# Altium PCB STB_LightBoard.PcbDoc (part 12 of 31) (continued)
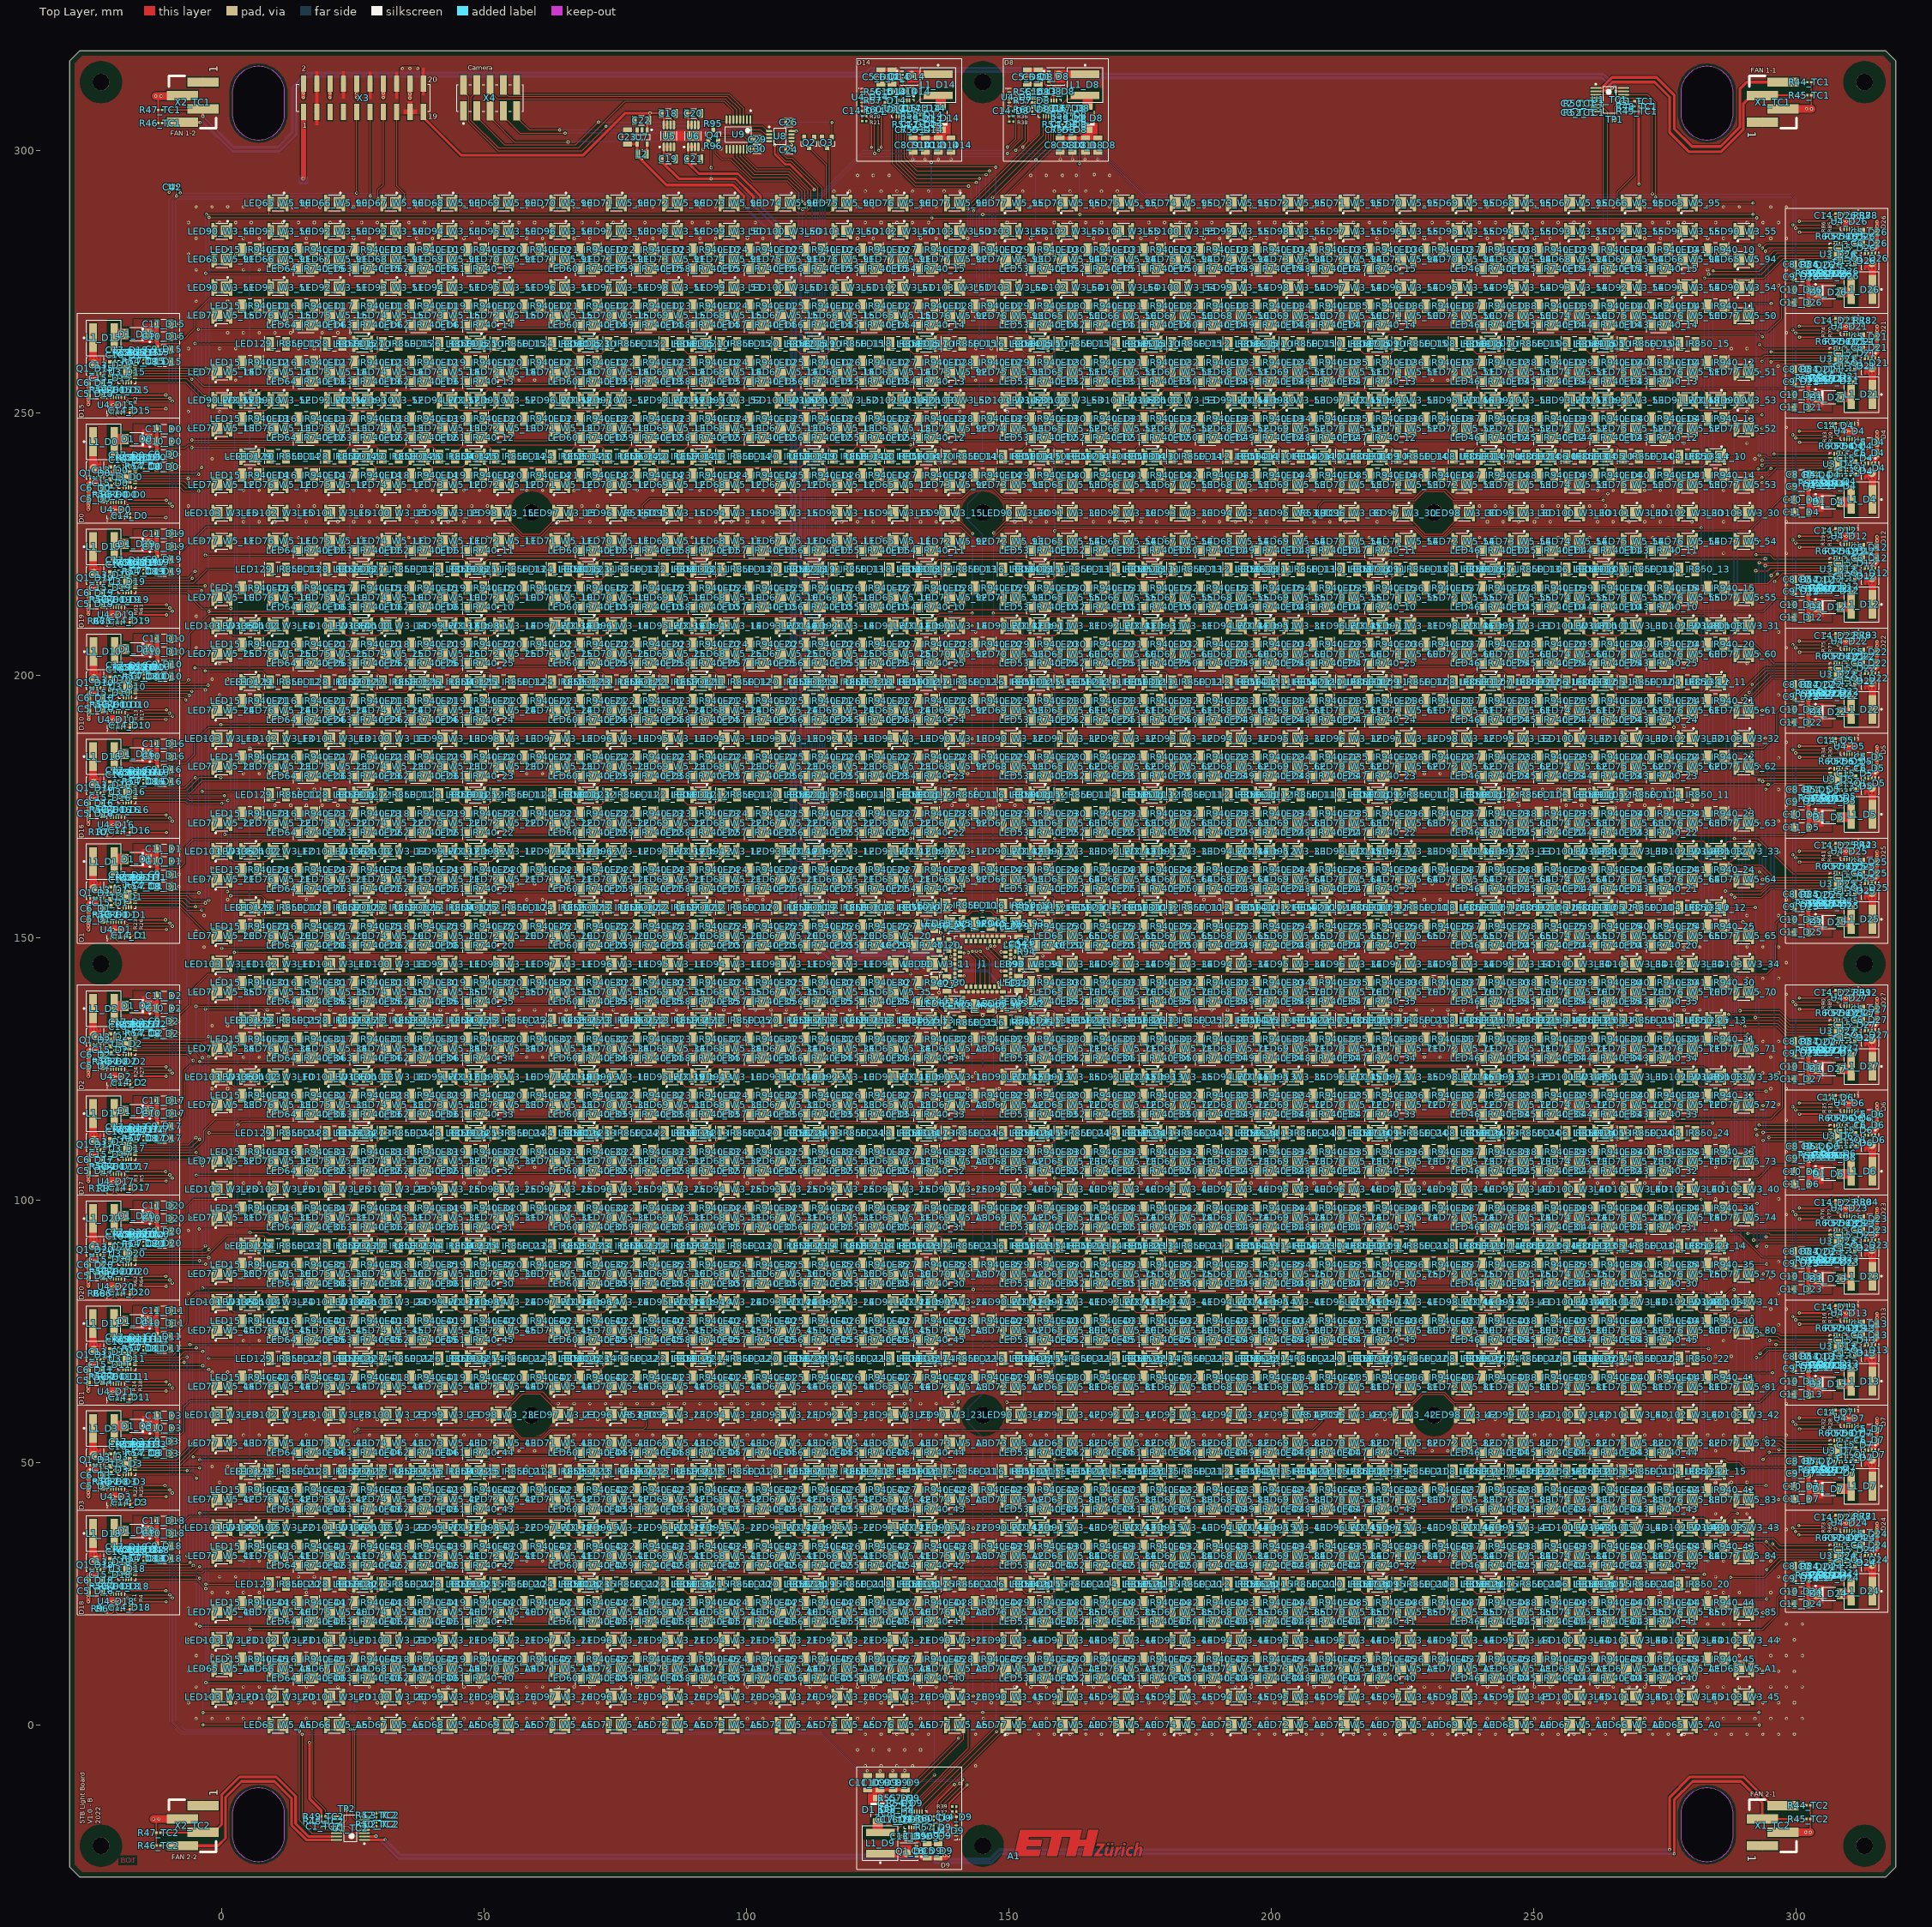
[diagram p0: Top Layer view]
## Part data (continued)
R4 R12 R27: library part CMP-2002-08256-1, Manufacturer="Vishay Dale", Manufacturer Part Number=CRCW0402182KFKED, Max Operating Temperature=155°C, Min Operating Temperature=-55°C, Package Height=0.35mm, Package Length=1mm, Package Shape=Rectangular, Package Style=SMTMeter, Package Width=0.5mm, Rated Power Dissipation (P)=63mW, Rated Temperature=70°C, Resistance=182kR, Resistor Type="FIXED RESISTOR", Supplier Part Number 1=541-182KLDKR-ND, Temperature Coefficient=100ppm/°C, Tolerance=1%, Working Voltage=50V, Category="Chip SMD Resistors", ComponentLink1Description=https://datasheet.ciiva.com:443/pdfs/VipMasterIC/IC/VISH/VISH-S-A0007266705/VISH-S-A0007266705-1.pdf?src-supplier=IHS+Markit, ComponentLink1URL=https://datasheet.ciiva.com:443/pdfs/VipMasterIC/IC/VISH/VISH-S-A0007266705/VISH-S-A0007266705-1.pdf?src-supplier=IHS+Markit, ComponentLink2Description=https://datasheet.ciiva.com/3256/dcrcwe3-3256117.pdf?src-supplier=Avnet, ComponentLink2URL=https://datasheet.ciiva.com/3256/dcrcwe3-3256117.pdf?src-supplier=Avnet, ComponentLink3Description=https://datasheet.ciiva.com/2463/dcrcwe3-2463286.pdf?src-supplier=Digi-Key, ComponentLink3URL=https://datasheet.ciiva.com/2463/dcrcwe3-2463286.pdf?src-supplier=Digi-Key, ComponentLink4Description=https://datasheet.ciiva.com/5545/dcrcwe3-109170-5545910.pdf?src-supplier=Mouser, ComponentLink4URL=https://datasheet.ciiva.com/5545/dcrcwe3-109170-5545910.pdf?src-supplier=Mouser, ComponentLink5Description=https://datasheet.ciiva.com/2463/dcrcwe3-2463287.pdf?src-supplier=Digi-Key, ComponentLink5URL=https://datasheet.ciiva.com/2463/dcrcwe3-2463287.pdf?src-supplier=Digi-Key, ComponentLink6Description=https://datasheet.ciiva.com/7714/1697337-7714183.pdf?src-supplier=Element14, ComponentLink6URL=https://datasheet.ciiva.com/7714/1697337-7714183.pdf?src-supplier=Element14, ComponentLink7Description=https://datasheet.ciiva.com/2463/dcrcwe3-2463288.pdf?src-supplier=Digi-Key, ComponentLink7URL=https://datasheet.ciiva.com/2463/dcrcwe3-2463288.pdf?src-supplier=Digi-Key, ComponentLink8Description=https://datasheet.ciiva.com/16785/70201119-16785993.pdf?src-supplier=Allied+Electronics, ComponentLink8URL=https://datasheet.ciiva.com/16785/70201119-16785993.pdf?src-supplier=Allied+Electronics, ComponentLink9Description=https://datasheet.ciiva.com/7714/1697337-7714365.pdf?src-supplier=Element14, ComponentLink9URL=https://datasheet.ciiva.com/7714/1697337-7714365.pdf?src-supplier=Element14, Construction=Chip, JESD-609 Code=e3, Mount="Surface Mount", Number of Pins=2, Packaging="Tape and Reel", Part Number=CRCW0402182KFKED, Pricing 1="1=0.10000, 10=0.03600, 100=0.01460, 1000=0.00656, 2500=0.00569, 5000=0.00470 (USD)", Reach SVHC Compliant=Yes, Reference Standard=AEC-Q200, RoHS=Yes, RoHS Compliant=Yes, Size Code=0402, Stock 1=76709, Supplier 1=Digi-Key, Technology="METAL GLAZE/THICK FILM", Terminal Finish=Nickel, Termination=Wraparound
R5 R9 R10 R11 R20 R26 R43 R67 R68 R81 R82 R83 R84 R88 R92: library part CMP-2002-00613-1, Manufacturer=Panasonic, Manufacturer Part Number=ERJ-2RKF1023X, Max Operating Temperature=155°C, Min Operating Temperature=-55°C, Package Height=0.35mm, Package Length=1mm, Package Shape=Rectangular, Package Style=SMTMeter, Package Width=0.5mm, Rated Power Dissipation (P)=100mW, Rated Temperature=70°C, Resistor Type="FIXED RESISTOR", Supplier Part Number 1=P102KLDKR-ND, Temperature Coefficient=100ppm/°C, Tolerance=1%, Working Voltage=50V, Category="Chip SMD Resistors", ComponentLink1Description=https://datasheet.ciiva.com:443/pdfs/VipMasterIC/IC/PANA/PANA-S-A0009889626/PANA-S-A0009889626-1.pdf?src-supplier=IHS+Markit, ComponentLink1URL=https://datasheet.ciiva.com:443/pdfs/VipMasterIC/IC/PANA/PANA-S-A0009889626/PANA-S-A0009889626-1.pdf?src-supplier=IHS+Markit, ComponentLink2Description=https://datasheet.ciiva.com/43467/1678782-43467481.pdf?src-supplier=Farnell, ComponentLink2URL=https://datasheet.ciiva.com/43467/1678782-43467481.pdf?src-supplier=Farnell, ComponentLink3Description=https://datasheet.ciiva.com/9119/aoa0000ce2-9119242.pdf?src-supplier=Avnet, ComponentLink3URL=https://datasheet.ciiva.com/9119/aoa0000ce2-9119242.pdf?src-supplier=Avnet, ComponentLink4Description=https://datasheet.ciiva.com/16781/70260748-16781503.pdf?src-supplier=Allied+Electronics, ComponentLink4URL=https://datasheet.ciiva.com/16781/70260748-16781503.pdf?src-supplier=Allied+Electronics, ComponentLink5Description=https://datasheet.ciiva.com/22673/1678782-22673487.pdf?src-supplier=Element14, ComponentLink5URL=https://datasheet.ciiva.com/22673/1678782-22673487.pdf?src-supplier=Element14, ComponentLink6Description=https://datasheet.ciiva.com/16763/70260748-16763080.pdf?src-supplier=Allied+Electronics, ComponentLink6URL=https://datasheet.ciiva.com/16763/70260748-16763080.pdf?src-supplier=Allied+Electronics, ComponentLink7Description=https://datasheet.ciiva.com/7712/1678782-7712798.pdf?src-supplier=Element14, ComponentLink7URL=https://datasheet.ciiva.com/7712/1678782-7712798.pdf?src-supplier=Element14, ComponentLink8Description=https://datasheet.ciiva.com/46373/1678782-46373215.pdf?src-supplier=Element14, ComponentLink8URL=https://datasheet.ciiva.com/46373/1678782-46373215.pdf?src-supplier=Element14, Construction=Rectangular, JESD-609 Code=e3, Mount="Surface Mount", Number of Pins=2, Packaging="Tape and Reel", Part Number=ERJ-2RKF1023X, Pricing 1="1=0.10000, 10=0.03300, 100=0.01330, 1000=0.00599, 2500=0.00520, 5000=0.00429 (USD)", Reach SVHC Compliant=Yes, Reference Standard=AEC-Q200, RoHS=Yes, RoHS Compliant=Yes, Size Code=0402, Stock 1=79400, Supplier 1=Digi-Key, Technology="METAL GLAZE/THICK FILM", Terminal Finish=Nickel, Termination=Wraparound
R13 R34 R74 R85: library part CMP-2002-00982-1, Manufacturer=Panasonic, Manufacturer Part Number=ERJ-2RKF5233X, Max Operating Temperature=155°C, Min Operating Temperature=-55°C, Package Height=0.35mm, Package Length=1mm, Package Shape=Rectangular, Package Style=SMTMeter, Package Width=0.5mm, Rated Power Dissipation (P)=100mW, Rated Temperature=70°C, Resistor Type="FIXED RESISTOR", Supplier Part Number 1=P523KLCT-ND, Temperature Coefficient=100ppm/°C, Tolerance=1%, Working Voltage=50V, Category="Chip SMD Resistors", ComponentLink1Description=https://datasheet.ciiva.com:443/pdfs/VipMasterIC/IC/PANA/PANA-S-A0009889626/PANA-S-A0009889626-1.pdf?src-supplier=IHS+Markit, ComponentLink1URL=https://datasheet.ciiva.com:443/pdfs/VipMasterIC/IC/PANA/PANA-S-A0009889626/PANA-S-A0009889626-1.pdf?src-supplier=IHS+Markit, ComponentLink2Description=https://datasheet.ciiva.com/30220/aoa0000ce2-30220984.pdf?src-supplier=Onlinecomponents.com, ComponentLink2URL=https://datasheet.ciiva.com/30220/aoa0000ce2-30220984.pdf?src-supplier=Onlinecomponents.com, ComponentLink3Description=https://datasheet.ciiva.com/24027/aoa0000ce2-24027141.pdf?src-supplier=Mouser, ComponentLink3URL=https://datasheet.ciiva.com/24027/aoa0000ce2-24027141.pdf?src-supplier=Mouser, ComponentLink4Description=https://datasheet.ciiva.com/9181/aoa0000ce2-9181337.pdf?src-supplier=Avnet, ComponentLink4URL=https://datasheet.ciiva.com/9181/aoa0000ce2-9181337.pdf?src-supplier=Avnet, ComponentLink5Description=https://datasheet.ciiva.com/9181/aoa0000ce2-9181340.pdf?src-supplier=Avnet, ComponentLink5URL=https://datasheet.ciiva.com/9181/aoa0000ce2-9181340.pdf?src-supplier=Avnet, ComponentLink6Description=https://datasheet.ciiva.com/22668/1678782-22668381.pdf?src-supplier=Element14, ComponentLink6URL=https://datasheet.ciiva.com/22668/1678782-22668381.pdf?src-supplier=Element14, ComponentLink7Description=https://datasheet.ciiva.com/43467/1678782-43467550.pdf?src-supplier=Farnell, ComponentLink7URL=https://datasheet.ciiva.com/43467/1678782-43467550.pdf?src-supplier=Farnell, ComponentLink8Description=https://datasheet.ciiva.com/46372/1678782-46372943.pdf?src-supplier=Element14, ComponentLink8URL=https://datasheet.ciiva.com/46372/1678782-46372943.pdf?src-supplier=Element14, Construction=Rectangular, JESD-609 Code=e3, Mount="Surface Mount", Number of Pins=2, Packaging="Tape and Reel", Part Number=ERJ-2RKF5233X, Pricing 1="1=0.10000, 10=0.03300, 100=0.01330, 1000=0.00599, 2500=0.00520, 5000=0.00429 (USD)", Reach SVHC Compliant=Yes, Reference Standard=AEC-Q200, RoHS=Yes, RoHS Compliant=Yes, Size Code=0402, Stock 1=154886, Supplier 1=Digi-Key, Technology="METAL GLAZE/THICK FILM", Terminal Finish=Nickel, Termination=Wraparound
R14 R33 R64 R89: library part CMP-2002-00914-1, Manufacturer=Panasonic, Manufacturer Part Number=ERJ-2RKF3923X, Max Operating Temperature=155°C, Min Operating Temperature=-55°C, Package Height=0.35mm, Package Length=1mm, Package Shape=Rectangular, Package Style=SMTMeter, Package Width=0.5mm, Rated Power Dissipation (P)=100mW, Rated Temperature=70°C, Resistor Type="FIXED RESISTOR", Supplier Part Number 1=P392KLDKR-ND, Temperature Coefficient=100ppm/°C, Tolerance=1%, Working Voltage=50V, Category="Chip SMD Resistors", ComponentLink1Description=https://datasheet.ciiva.com:443/pdfs/VipMasterIC/IC/PANA/PANA-S-A0009889626/PANA-S-A0009889626-1.pdf?src-supplier=IHS+Markit, ComponentLink1URL=https://datasheet.ciiva.com:443/pdfs/VipMasterIC/IC/PANA/PANA-S-A0009889626/PANA-S-A0009889626-1.pdf?src-supplier=IHS+Markit, ComponentLink2Description=https://datasheet.ciiva.com/24069/aoa0000ce2-24069223.pdf?src-supplier=Mouser, ComponentLink2URL=https://datasheet.ciiva.com/24069/aoa0000ce2-24069223.pdf?src-supplier=Mouser, ComponentLink3Description=https://datasheet.ciiva.com/30085/aoa0000ce2-30085781.pdf?src-supplier=Onlinecomponents.com, ComponentLink3URL=https://datasheet.ciiva.com/30085/aoa0000ce2-30085781.pdf?src-supplier=Onlinecomponents.com, ComponentLink4Description=https://datasheet.ciiva.com/16781/70260748-16781463.pdf?src-supplier=Allied+Electronics, ComponentLink4URL=https://datasheet.ciiva.com/16781/70260748-16781463.pdf?src-supplier=Allied+Electronics, ComponentLink5Description=https://datasheet.ciiva.com/22673/1678782-22673356.pdf?src-supplier=Element14, ComponentLink5URL=https://datasheet.ciiva.com/22673/1678782-22673356.pdf?src-supplier=Element14, ComponentLink6Description=https://datasheet.ciiva.com/46399/1678782-46399980.pdf?src-supplier=Element14, ComponentLink6URL=https://datasheet.ciiva.com/46399/1678782-46399980.pdf?src-supplier=Element14, ComponentLink7Description=https://datasheet.ciiva.com/46399/1678782-46399981.pdf?src-supplier=Element14, ComponentLink7URL=https://datasheet.ciiva.com/46399/1678782-46399981.pdf?src-supplier=Element14, ComponentLink8Description=https://datasheet.ciiva.com/22776/1678782-22776542.pdf?src-supplier=Farnell, ComponentLink8URL=https://datasheet.ciiva.com/22776/1678782-22776542.pdf?src-supplier=Farnell, ComponentLink9Description=https://datasheet.ciiva.com/16774/70260748-16774815.pdf?src-supplier=Allied+Electronics, ComponentLink9URL=https://datasheet.ciiva.com/16774/70260748-16774815.pdf?src-supplier=Allied+Electronics, Construction=Rectangular, JESD-609 Code=e3, Mount="Surface Mount", Number of Pins=2, Packaging="Tape and Reel", Part Number=ERJ-2RKF3923X, Pricing 1="1=0.10000, 10=0.03300, 100=0.01330, 1000=0.00599, 2500=0.00520, 5000=0.00429 (USD)", Reach SVHC Compliant=Yes, Reference Standard=AEC-Q200, RoHS=Yes, RoHS Compliant=Yes, Size Code=0402, Stock 1=100496, Supplier 1=Digi-Key, Technology="METAL GLAZE/THICK FILM", Terminal Finish=Nickel, Termination=Wraparound
R15 R25 R63: library part CMP-1011-00785-4, "Chip Resistor, 280 KOhm, +/- 1%, 100 mW, -55 to 155 degC, 0402 (1005 Metric), RoHS, Cut Tape", Case Code (Imperial)=0402, Case Code (Metric)=1005, Manufacturer="Basic Passives", Manufacturer Part Number=ERJ-2RKF2803X, Max Operating Temperature="155 degC", Min Operating Temperature="-55 degC", Package Height=0.35mm, Package Length=1mm, Package Quantity=10000, Package Shape=Rectangular, Package Style=SMTMeter, Package Width=0.5mm, Power Rating="100 mW", Rated Power Dissipation (P)=100mW, Rated Temperature=70°C, Resistor Type="FIXED RESISTOR", Supplier Part Number 1=P280KLDKR-ND, Temperature Coefficient=100ppm/°C, Tolerance=1%, Voltage Rating="50 V", Working Voltage=50V, Case\/Package=0402, Category="Chip SMD Resistors", ComponentLink1Description="Manufacturer URL", ComponentLink1URL=http://www.panasonic.com/, ComponentLink2Description=Datasheet, ComponentLink2URL=http://industrial.panasonic.com/cdbs/www-data/pdf/RDA0000/AOA0000C86.pdf, ComponentLink3Description=https://datasheet.ciiva.com:443/pdfs/VipMasterIC/IC/PANA/PANA-S-A0009889626/PANA-S-A0009889626-1.pdf?src-supplier=IHS+Markit, ComponentLink3URL=https://datasheet.ciiva.com:443/pdfs/VipMasterIC/IC/PANA/PANA-S-A0009889626/PANA-S-A0009889626-1.pdf?src-supplier=IHS+Markit, ComponentLink4Description=https://datasheet.ciiva.com/9183/aoa0000ce2-9183500.pdf?src-supplier=Avnet, ComponentLink4URL=https://datasheet.ciiva.com/9183/aoa0000ce2-9183500.pdf?src-supplier=Avnet, ComponentLink5Description=https://datasheet.ciiva.com/28594/1694929-28594570.pdf?src-supplier=Element14, ComponentLink5URL=https://datasheet.ciiva.com/28594/1694929-28594570.pdf?src-supplier=Element14, ComponentLink6Description=https://datasheet.ciiva.com/24024/aoa0000ce2-24024731.pdf?src-supplier=Mouser, ComponentLink6URL=https://datasheet.ciiva.com/24024/aoa0000ce2-24024731.pdf?src-supplier=Mouser, ComponentLink7Description=https://datasheet.ciiva.com/30177/aoa0000ce2-30177532.pdf?src-supplier=Onlinecomponents.com, ComponentLink7URL=https://datasheet.ciiva.com/30177/aoa0000ce2-30177532.pdf?src-supplier=Onlinecomponents.com, ComponentLink8Description=https://datasheet.ciiva.com/7712/1678782-7712815.pdf?src-supplier=Element14, ComponentLink8URL=https://datasheet.ciiva.com/7712/1678782-7712815.pdf?src-supplier=Element14, Construction=Rectangular, DatasheetVersion=04/2015, Height="0.016 inch", JESD-609 Code=e3, Length="0.039 inch", Mount="Surface Mount", Mounting Technology="Surface Mount", Number of Pins=2, PackageDescription="2-Pin Surface Mount Device, Body 1 x 0.5 mm", PackageReference=0402, Packaging="Cut Tape", PartNumber=ERJ-2RKF2803X, Pins=2, Pricing 1="1=0.10000, 10=0.03300, 100=0.01330, 1000=0.00599, 2500=0.00520, 5000=0.00429 (USD)", REACH SVHC=Yes, Reach SVHC Compliant=Yes, Reference Standard=AEC-Q200, RoHS=Yes, RoHS Compliant=Yes, RoHSCompliant=true, Size Code=0402, Stock 1=156859, Supplier 1=Digi-Key, Technology="METAL GLAZE/THICK FILM", Terminal Finish=Nickel, Termination=Wraparound, Width="0.02 inch"
R17 R18 R19 R22 R28 R29 R30 R31 R38 R39 R41 R61 R62 R70 R71 R72 R73 R86 R90: library part CMP-2002-00609-3, "Chip Resistor, 1 MOhm, +/- 1%, 100 mW, -55 to 155 degC, 0402 (1005 Metric), RoHS, Tape and Reel", Case Code (Imperial)=0402, Case Code (Metric)=1005, Manufacturer="Basic Passives", Manufacturer Part Number=ERJ-2RKF1004X, Max Operating Temperature="155 degC", Min Operating Temperature="-55 degC", Package Height=0.35mm, Package Length=1mm, Package Quantity=10000, Package Shape=Rectangular, Package Style=SMTMeter, Package Width=0.5mm, Power Rating="100 mW", Rated Power Dissipation (P)=100mW, Rated Temperature=70°C, Resistor Type="FIXED RESISTOR", Supplier Part Number 1=P1.00MLDKR-ND, Temperature Coefficient=100ppm/°C, Tolerance=1%, Voltage Rating="50 V", Working Voltage=50V, Case\/Package=0402, Category="Chip SMD Resistors", ComponentLink1Description="Manufacturer URL", ComponentLink1URL=http://www.panasonic.com/, ComponentLink2Description=Datasheet, ComponentLink2URL=http://industrial.panasonic.com/cdbs/www-data/pdf/RDA0000/AOA0000C86.pdf, ComponentLink3Description=https://datasheet.ciiva.com:443/pdfs/VipMasterIC/IC/PANA/PANA-S-A0009889626/PANA-S-A0009889626-1.pdf?src-supplier=IHS+Markit, ComponentLink3URL=https://datasheet.ciiva.com:443/pdfs/VipMasterIC/IC/PANA/PANA-S-A0009889626/PANA-S-A0009889626-1.pdf?src-supplier=IHS+Markit, ComponentLink4Description=https://datasheet.ciiva.com/34303/1987046-34303551.pdf?src-supplier=Jameco, ComponentLink4URL=https://datasheet.ciiva.com/34303/1987046-34303551.pdf?src-supplier=Jameco, ComponentLink5Description=https://datasheet.ciiva.com/11821/0900766b80f80784-11821229.pdf?src-supplier=RSComponents, ComponentLink5URL=https://datasheet.ciiva.com/11821/0900766b80f80784-11821229.pdf?src-supplier=RSComponents, ComponentLink6Description=https://datasheet.ciiva.com/7909/aoa0000ce2-7909180.pdf?src-supplier=Element14, ComponentLink6URL=https://datasheet.ciiva.com/7909/aoa0000ce2-7909180.pdf?src-supplier=Element14, ComponentLink7Description=https://datasheet.ciiva.com/22723/1678782-22723164.pdf?src-supplier=Element14, ComponentLink7URL=https://datasheet.ciiva.com/22723/1678782-22723164.pdf?src-supplier=Element14, ComponentLink8Description=https://datasheet.ciiva.com/24158/aoa0000ce2-24158990.pdf?src-supplier=Mouser, ComponentLink8URL=https://datasheet.ciiva.com/24158/aoa0000ce2-24158990.pdf?src-supplier=Mouser, ComponentLink9Description=https://datasheet.ciiva.com/16766/70260748-16766711.pdf?src-supplier=Allied+Electronics, ComponentLink9URL=https://datasheet.ciiva.com/16766/70260748-16766711.pdf?src-supplier=Allied+Electronics, ComponentLink10Description=https://datasheet.ciiva.com/16779/70260748-16779288.pdf?src-supplier=Allied+Electronics, ComponentLink10URL=https://datasheet.ciiva.com/16779/70260748-16779288.pdf?src-supplier=Allied+Electronics, ComponentLink11Description=https://datasheet.ciiva.com/16199/aoa0000ce2-16199544.pdf?src-supplier=Future+Electronics, ComponentLink11URL=https://datasheet.ciiva.com/16199/aoa0000ce2-16199544.pdf?src-supplier=Future+Electronics, Construction=Rectangular, DatasheetVersion=04/2015, Height="0.35 mm", JESD-609 Code=e3, Length="1 mm", Mount="Surface Mount", Mounting Technology="Surface Mount", Number of Pins=2, PackageDescription="2-Pin Surface Mount Device, Body 1 x 0.5 mm", PackageReference=0402, Packaging="Tape and Reel", PartNumber=ERJ-2RKF1004X, Pins=2, Pricing 1="1=0.10000, 10=0.03300, 100=0.01330, 1000=0.00599, 2500=0.00520, 5000=0.00429 (USD)", Radiation Hardening=No, REACH SVHC=Yes, Reach SVHC Compliant=Yes, Reference Standard=AEC-Q200, RoHS=Yes, RoHS Compliant=Yes, RoHSCompliant=true, Size Code=0402, Stock 1=1012879, Supplier 1=Digi-Key, Technology="METAL GLAZE/THICK FILM", Terminal Finish=Nickel, Termination=Wraparound, Weight=2.8E-05oz, Width="0.5 mm"
R32 R36 R69 R76: library part CMP-2002-07827-1, Manufacturer="Yageo / Phycomp", Manufacturer Part Number=RC0402FR-07887KL, Max Operating Temperature=155°C, Min Operating Temperature=-55°C, Package Height=0.35mm, Package Length=1mm, Package Shape=Rectangular, Package Style=SMTMeter, Package Width=0.5mm, Rated Power Dissipation (P)=62.5mW, Rated Temperature=70°C, Resistor Type="FIXED RESISTOR", Supplier Part Number 1=YAG3251CT-ND, Temperature Coefficient=100ppm/°C, Tolerance=1%, Working Voltage=50V, Additional Feature="LASER TRIMMABLE", Category="Chip SMD Resistors", ComponentLink1Description=https://datasheet.ciiva.com:443/pdfs/VipMasterIC/IC/YAGO/YAGO-S-A0008145938/YAGO-S-A0008145938-1.pdf?src-supplier=IHS+Markit, ComponentLink1URL=https://datasheet.ciiva.com:443/pdfs/VipMasterIC/IC/YAGO/YAGO-S-A0008145938/YAGO-S-A0008145938-1.pdf?src-supplier=IHS+Markit, ComponentLink2Description=https://datasheet.ciiva.com/16744/pyu-rc0402-51-rohs-l-6-r-16744239.pdf?src-supplier=Future+Electronics, ComponentLink2URL=https://datasheet.ciiva.com/16744/pyu-rc0402-51-rohs-l-6-r-16744239.pdf?src-supplier=Future+Electronics, Construction=Chip, JESD-609 Code=e3, Mount="Surface Mount", Number of Pins=2, Packaging="Tape and Reel", Part Number=RC0402FR-07887KL, Pricing 1="1=0.10000, 10=0.01500, 100=0.00600, 1000=0.00267, 2500=0.00232, 5000=0.00192 (USD)", Reach SVHC Compliant=Yes, RoHS=Yes, RoHS Compliant=Yes, Size Code=0402, Stock 1=288491, Supplier 1=Digi-Key, Technology="METAL GLAZE/THICK FILM", Terminal Finish=Nickel, Termination=Wraparound
R35 R37 R40 R75: library part CMP-2002-01040-1, Manufacturer=Panasonic, Manufacturer Part Number=ERJ-2RKF6813X, Max Operating Temperature=155°C, Min Operating Temperature=-55°C, Package Height=0.35mm, Package Length=1mm, Package Shape=Rectangular, Package Style=SMTMeter, Package Width=0.5mm, Rated Power Dissipation (P)=100mW, Rated Temperature=70°C, Resistor Type="FIXED RESISTOR", Supplier Part Number 1=P681KLCT-ND, Temperature Coefficient=100ppm/°C, Tolerance=1%, Working Voltage=50V, Category="Chip SMD Resistors", ComponentLink1Description=https://datasheet.ciiva.com:443/pdfs/VipMasterIC/IC/PANA/PANA-S-A0009889626/PANA-S-A0009889626-1.pdf?src-supplier=IHS+Markit, ComponentLink1URL=https://datasheet.ciiva.com:443/pdfs/VipMasterIC/IC/PANA/PANA-S-A0009889626/PANA-S-A0009889626-1.pdf?src-supplier=IHS+Markit, ComponentLink2Description=https://datasheet.ciiva.com/3883/3984280s8821682n1386-3883650.pdf?src-supplier=Arrow+Electronics, ComponentLink2URL=https://datasheet.ciiva.com/3883/3984280s8821682n1386-3883650.pdf?src-supplier=Arrow+Electronics, ComponentLink3Description=https://datasheet.ciiva.com/16776/70260748-16776822.pdf?src-supplier=Allied+Electronics, ComponentLink3URL=https://datasheet.ciiva.com/16776/70260748-16776822.pdf?src-supplier=Allied+Electronics, ComponentLink4Description=https://datasheet.ciiva.com/9180/aoa0000ce2-9180392.pdf?src-supplier=Avnet, ComponentLink4URL=https://datasheet.ciiva.com/9180/aoa0000ce2-9180392.pdf?src-supplier=Avnet, ComponentLink5Description=https://datasheet.ciiva.com/22673/1678782-22673368.pdf?src-supplier=Element14, ComponentLink5URL=https://datasheet.ciiva.com/22673/1678782-22673368.pdf?src-supplier=Element14, ComponentLink6Description=https://datasheet.ciiva.com/7753/1678782-7753993.pdf?src-supplier=Element14, ComponentLink6URL=https://datasheet.ciiva.com/7753/1678782-7753993.pdf?src-supplier=Element14, ComponentLink7Description=https://datasheet.ciiva.com/16771/70260748-16771449.pdf?src-supplier=Allied+Electronics, ComponentLink7URL=https://datasheet.ciiva.com/16771/70260748-16771449.pdf?src-supplier=Allied+Electronics, ComponentLink8Description=https://datasheet.ciiva.com/9180/aoa0000ce2-9180348.pdf?src-supplier=Avnet, ComponentLink8URL=https://datasheet.ciiva.com/9180/aoa0000ce2-9180348.pdf?src-supplier=Avnet, ComponentLink9Description=https://datasheet.ciiva.com/43467/1678782-43467564.pdf?src-supplier=Farnell, ComponentLink9URL=https://datasheet.ciiva.com/43467/1678782-43467564.pdf?src-supplier=Farnell, ComponentLink10Description=https://datasheet.ciiva.com/24069/aoa0000ce2-24069822.pdf?src-supplier=Mouser, ComponentLink10URL=https://datasheet.ciiva.com/24069/aoa0000ce2-24069822.pdf?src-supplier=Mouser, ComponentLink11Description=https://datasheet.ciiva.com/46373/1678782-46373118.pdf?src-supplier=Element14, ComponentLink11URL=https://datasheet.ciiva.com/46373/1678782-46373118.pdf?src-supplier=Element14, ComponentLink12Description=https://datasheet.ciiva.com/30230/aoa0000ce2-30230479.pdf?src-supplier=Onlinecomponents.com, ComponentLink12URL=https://datasheet.ciiva.com/30230/aoa0000ce2-30230479.pdf?src-supplier=Onlinecomponents.com, ComponentLink13Description=https://datasheet.ciiva.com/46373/1678782-46373119.pdf?src-supplier=Element14, ComponentLink13URL=https://datasheet.ciiva.com/46373/1678782-46373119.pdf?src-supplier=Element14, Construction=Rectangular, JESD-609 Code=e3, Mount="Surface Mount", Number of Pins=2, Packaging="Tape and Reel", Part Number=ERJ-2RKF6813X, Pricing 1="1=0.10000, 10=0.03300, 100=0.01330, 1000=0.00599, 2500=0.00520, 5000=0.00429 (USD)", Reach SVHC Compliant=Yes, Reference Standard=AEC-Q200, RoHS=Yes, RoHS Compliant=Yes, Size Code=0402, Stock 1=3837, Supplier 1=Digi-Key, Technology="METAL GLAZE/THICK FILM", Terminal Finish=Nickel, Termination=Wraparound
R44_TC1 R44_TC2 R45_TC1 R45_TC2 R46_TC1 R46_TC2 R47_TC1 R47_TC2 R56_D0 R56_D1 R56_D2 R56_D3 R56_D4 R56_D5 R56_D6 R56_D7 R56_D8 R56_D9 R56_D10 R56_D11 R56_D12 R56_D13 R56_D14 R56_D15 R56_D16 R56_D17 R56_D18 R56_D19 R56_D20 R56_D21 R56_D22 R56_D23 R56_D24 R56_D25 R56_D26 R56_D27 R57_D0 R57_D1 R57_D2 R57_D3 R57_D4 R57_D5 R57_D6 R57_D7 R57_D8 R57_D9 R57_D10 R57_D11 R57_D12 R57_D13 R57_D14 R57_D15 R57_D16 R57_D17 R57_D18 R57_D19 R57_D20 R57_D21 R57_D22 R57_D23 R57_D24 R57_D25 R57_D26 R57_D27: library part CMP-1011-00586-2, Manufacturer="Yageo / Phycomp", Manufacturer Part Number=RC0402FR-074K7L, Max Operating Temperature=155°C, Min Operating Temperature=-55°C, Package Height=0.35mm, Package Length=1mm, Package Shape=Rectangular, Package Style=SMTMeter, Package Width=0.5mm, Rated Power Dissipation (P)=62.5mW, Rated Temperature=70°C, Resistor Type="FIXED RESISTOR", Supplier Part Number 1=311-4.7KLRDKR-ND, Temperature Coefficient=100ppm/°C, Tolerance=1%, Working Voltage=50V, Additional Feature="LASER TRIMMABLE", Category="Chip SMD Resistors", ComponentLink1Description=https://datasheet.ciiva.com:443/pdfs/VipMasterIC/IC/YAGO/YAGO-S-A0008145938/YAGO-S-A0008145938-1.pdf?src-supplier=IHS+Markit, ComponentLink1URL=https://datasheet.ciiva.com:443/pdfs/VipMasterIC/IC/YAGO/YAGO-S-A0008145938/YAGO-S-A0008145938-1.pdf?src-supplier=IHS+Markit, ComponentLink2Description=https://datasheet.ciiva.com/22661/1686128-22661342.pdf?src-supplier=Element14, ComponentLink2URL=https://datasheet.ciiva.com/22661/1686128-22661342.pdf?src-supplier=Element14, ComponentLink3Description=https://datasheet.ciiva.com/7850/1018594-7850022.pdf?src-supplier=Element14, ComponentLink3URL=https://datasheet.ciiva.com/7850/1018594-7850022.pdf?src-supplier=Element14, ComponentLink4Description=https://datasheet.ciiva.com/7850/1018594-7850023.pdf?src-supplier=Element14, ComponentLink4URL=https://datasheet.ciiva.com/7850/1018594-7850023.pdf?src-supplier=Element14, ComponentLink5Description=https://datasheet.ciiva.com/15215/getdatasheetpartid-328119-15215035.pdf?src-supplier=Verical, ComponentLink5URL=https://datasheet.ciiva.com/15215/getdatasheetpartid-328119-15215035.pdf?src-supplier=Verical, Construction=Chip, JESD-609 Code=e3, Mount="Surface Mount", Number of Pins=2, Packaging="Tape and Reel", Part Number=RC0402FR-074K7L, Pricing 1="1=0.10000, 10=0.01500, 100=0.00600, 1000=0.00267, 2500=0.00232, 5000=0.00192 (USD)", REACH SVHC=Yes, RoHS=Yes, RoHS Compliant=Yes, Size Code=0402, Stock 1=23638739, Supplier 1=Digi-Key, Technology="METAL GLAZE/THICK FILM", Terminal Finish=Nickel, Termination=Wraparound